# EAGLE board working (EAGLE 9.6.2), part 12 of 28
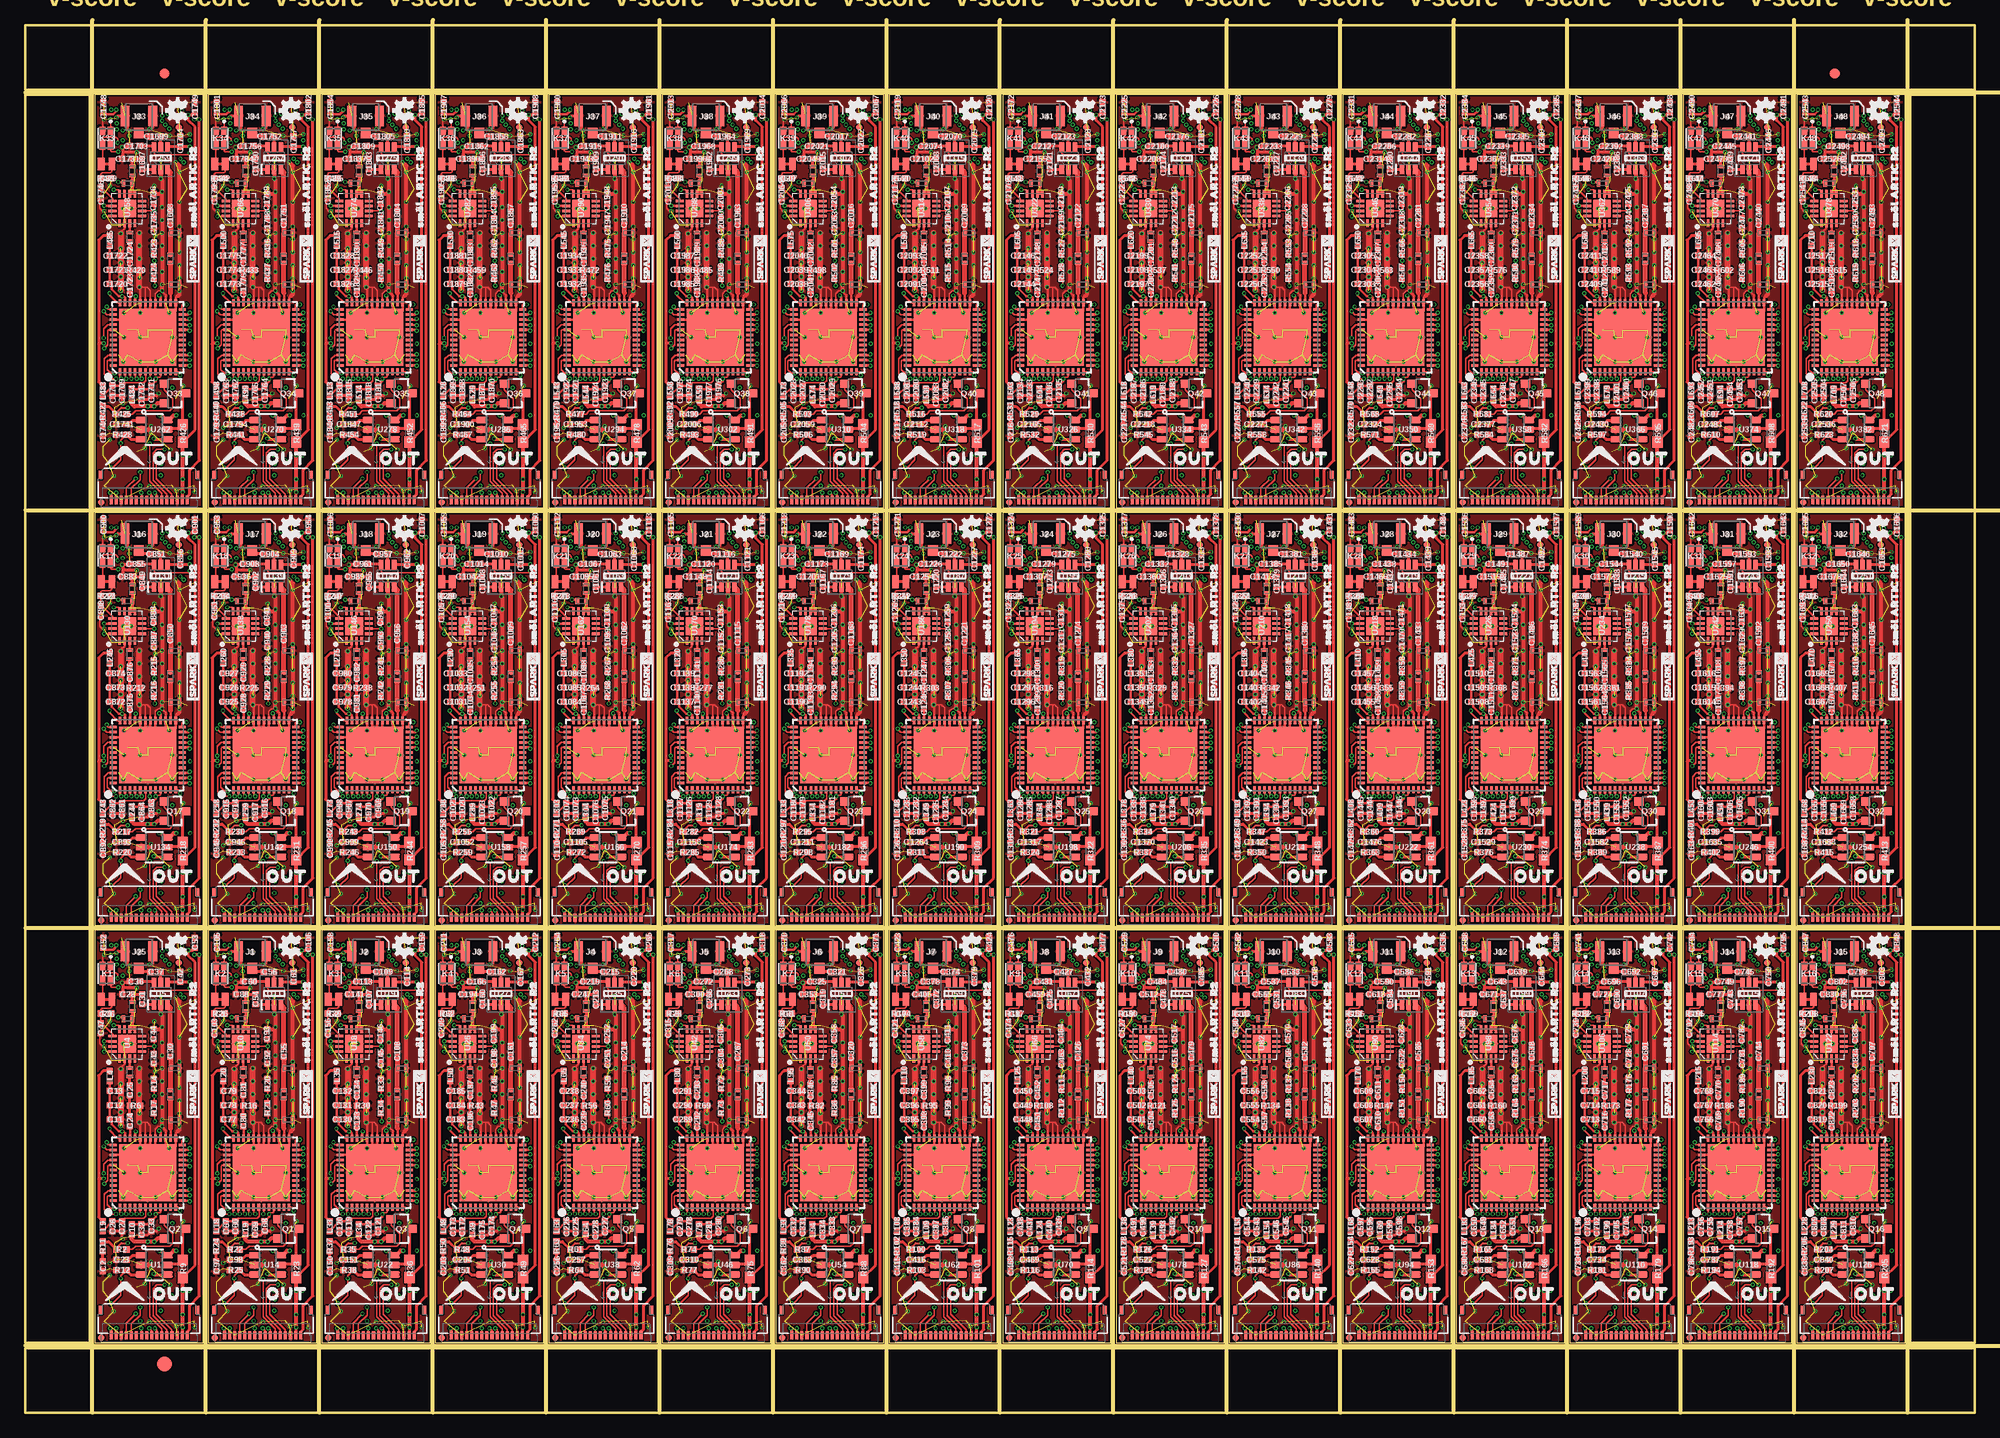
[diagram p0: board, top side]
## Tracks (layer width: path | path; a pad name or v marks a point on that pad's centre or on a via) (continued)
BOOT39  (via drill 0.2) (continued)
  Route15 0.152: v87.16,101.85 87.16,99.48 88.53,98.11 88.53,94.48 89.41,93.6 90.81,93.6 91.57,92.84 v91.57,92.33
  Bottom 0.152: U320.3 91.95,92 91.6,92.36 v91.57,92.33 | R509.1 87.16,100.68 v87.16,101.85
BOOT40  (via drill 0.2)
  Top 0.152: U321.46 97.56,104.17 97.19,103.8 97.19,102.32 97.66,101.85 v98.34,101.85
  Route15 0.152: v98.34,101.85 98.34,99.48 99.71,98.11 99.71,94.48 100.58,93.6 101.98,93.6 102.74,92.84 v102.74,92.33
  Bottom 0.152: U328.3 103.13,92 102.78,92.36 v102.74,92.33 | R522.1 98.34,100.68 v98.34,101.85
BOOT41  (via drill 0.2)
  Top 0.152: U329.46 108.74,104.17 108.37,103.8 108.37,102.32 108.84,101.85 v109.51,101.85
  Route15 0.152: v109.51,101.85 109.51,99.48 110.88,98.11 110.88,94.48 111.76,93.6 113.16,93.6 113.92,92.84 v113.92,92.33
  Bottom 0.152: U336.3 114.31,92 113.95,92.36 v113.92,92.33 | R535.1 109.51,100.68 v109.51,101.85
BOOT42  (via drill 0.2)
  Top 0.152: U337.46 119.92,104.17 119.55,103.8 119.55,102.32 120.02,101.85 v120.69,101.85
  Route15 0.152: v120.69,101.85 120.69,99.48 122.06,98.11 122.06,94.48 122.94,93.6 124.33,93.6 125.09,92.84 v125.09,92.33
  Bottom 0.152: U344.3 125.48,92 125.13,92.36 v125.09,92.33 | R548.1 120.69,100.68 v120.69,101.85
BOOT43  (via drill 0.2)
  Top 0.152: U345.46 131.09,104.17 130.72,103.8 130.72,102.32 131.19,101.85 v131.86,101.85
  Route15 0.152: v131.86,101.85 131.86,99.48 133.23,98.11 133.23,94.48 134.11,93.6 135.51,93.6 136.27,92.84 v136.27,92.33
  Bottom 0.152: U352.3 136.66,92 136.3,92.36 v136.27,92.33 | R561.1 131.86,100.68 v131.86,101.85
BOOT44  (via drill 0.2)
  Top 0.152: U353.46 142.27,104.17 141.9,103.8 141.9,102.32 142.37,101.85 v143.04,101.85
  Route15 0.152: v143.04,101.85 143.04,99.48 144.41,98.11 144.41,94.48 145.29,93.6 146.69,93.6 147.45,92.84 v147.45,92.33
  Bottom 0.152: U360.3 147.84,92 147.48,92.36 v147.45,92.33 | R574.1 143.04,100.68 v143.04,101.85
BOOT45  (via drill 0.2)
  Top 0.152: U361.46 153.44,104.17 153.07,103.8 153.07,102.32 153.54,101.85 v154.22,101.85
  Route15 0.152: v154.22,101.85 154.22,99.48 155.59,98.11 155.59,94.48 156.46,93.6 157.86,93.6 158.62,92.84 v158.62,92.33
  Bottom 0.152: U368.3 159.01,92 158.66,92.36 v158.62,92.33 | R587.1 154.22,100.68 v154.22,101.85
BOOT46  (via drill 0.2)
  Top 0.152: U369.46 164.62,104.17 164.25,103.8 164.25,102.32 164.72,101.85 v165.39,101.85
  Route15 0.152: v165.39,101.85 165.39,99.48 166.76,98.11 166.76,94.48 167.64,93.6 169.04,93.6 169.8,92.84 v169.8,92.33
  Bottom 0.152: U376.3 170.19,92 169.83,92.36 v169.8,92.33 | R600.1 165.39,100.68 v165.39,101.85
BOOT47  (via drill 0.2)
  Top 0.152: U377.46 175.8,104.17 175.43,103.8 175.43,102.32 175.9,101.85 v176.57,101.85
  Route15 0.152: v176.57,101.85 176.57,99.48 177.94,98.11 177.94,94.48 178.82,93.6 180.21,93.6 180.97,92.84 v180.97,92.33
  Bottom 0.152: U384.3 181.36,92 181.01,92.36 v180.97,92.33 | R613.1 176.57,100.68 v176.57,101.85
CIPO  (via drill 0.2)
  Top 0.152: U3.5 11.34,20.2 11.34,19.69 v11.47,19.56 | OUT.6 13.44,8.26 12.25,9.45 v12.25,13.14
  Route15 0.152: v12.25,13.14 12.24,13.16 11.67,13.16 11.49,13.34 11.49,19.53 v11.47,19.56 11.47,19.6 12.05,20.18 12.05,41.49 12.89,42.32 12.89,45.14 13.21,45.47 v13.47,45.47
  Bottom 0.152: IN.6 13.47,46.73 v13.47,45.47
CIPO1  (via drill 0.2)
  Top 0.152: U9.5 22.52,20.2 22.52,19.69 v22.64,19.56 | OUT1.6 24.62,8.26 23.43,9.45 v23.43,13.14
  Route15 0.152: v23.43,13.14 v23.42,13.16 22.85,13.16 22.67,13.34 22.67,19.53 v22.64,19.56 22.64,19.6 23.23,20.18 23.23,41.49 24.07,42.32 24.07,45.14 24.39,45.47 v24.64,45.47
  Bottom 0.152: IN1.6 24.64,46.73 v24.64,45.47
CIPO2  (via drill 0.2)
  Top 0.152: U17.5 33.69,20.2 33.69,19.69 v33.82,19.56 | OUT2.6 35.79,8.26 34.61,9.45 v34.61,13.14
  Route15 0.152: v34.61,13.14 34.6,13.16 34.02,13.16 33.84,13.34 33.84,19.53 v33.82,19.56 33.82,19.6 34.41,20.18 34.41,41.49 35.24,42.32 35.24,45.14 35.56,45.47 v35.82,45.47
  Bottom 0.152: IN2.6 35.82,46.73 v35.82,45.47
CIPO3  (via drill 0.2)
  Top 0.152: U25.5 44.87,20.2 44.87,19.69 v45,19.56 | OUT3.6 46.97,8.26 45.78,9.45 v45.78,13.14
  Route15 0.152: v45.78,13.14 45.77,13.16 45.2,13.16 45.02,13.34 45.02,19.53 v45,19.56 45,19.6 45.58,20.18 45.58,41.49 46.42,42.32 46.42,45.14 46.74,45.47 v47,45.47
  Bottom 0.152: IN3.6 47,46.73 v47,45.47
CIPO4  (via drill 0.2)
  Top 0.152: U33.5 56.04,20.2 56.04,19.69 v56.17,19.56 | OUT4.6 58.15,8.26 56.96,9.45 v56.96,13.14
  Route15 0.152: v56.96,13.14 v56.95,13.16 56.38,13.16 56.2,13.34 56.2,19.53 v56.17,19.56 56.17,19.6 56.76,20.18 56.76,41.49 57.59,42.32 57.59,45.14 57.91,45.47 v58.17,45.47
  Bottom 0.152: IN4.6 58.17,46.73 v58.17,45.47
CIPO5  (via drill 0.2)
  Top 0.152: U41.5 67.22,20.2 67.22,19.69 v67.35,19.56 | OUT5.6 69.32,8.26 68.14,9.45 v68.14,13.14
  Route15 0.152: v68.14,13.14 68.12,13.16 67.55,13.16 67.37,13.34 67.37,19.53 v67.35,19.56 67.35,19.6 67.93,20.18 67.93,41.49 68.77,42.32 68.77,45.14 69.09,45.47 v69.35,45.47
  Bottom 0.152: IN5.6 69.35,46.73 v69.35,45.47
CIPO6  (via drill 0.2)
  Top 0.152: U49.5 78.4,20.2 78.4,19.69 v78.52,19.56 | OUT6.6 80.5,8.26 79.31,9.45 v79.31,13.14
  Route15 0.152: v79.31,13.14 v79.3,13.16 78.73,13.16 78.55,13.34 78.55,19.53 v78.52,19.56 78.52,19.6 79.11,20.18 79.11,41.49 79.95,42.32 79.95,45.14 80.27,45.47 v80.52,45.47
  Bottom 0.152: IN6.6 80.52,46.73 v80.52,45.47
CIPO7  (via drill 0.2)
  Top 0.152: U57.5 89.57,20.2 89.57,19.69 v89.7,19.56 | OUT7.6 91.67,8.26 90.49,9.45 v90.49,13.14
  Route15 0.152: v90.49,13.14 90.48,13.16 89.91,13.16 89.72,13.34 89.72,19.53 v89.7,19.56 89.7,19.6 90.29,20.18 90.29,41.49 91.12,42.32 91.12,45.14 91.44,45.47 v91.7,45.47
  Bottom 0.152: IN7.6 91.7,46.73 v91.7,45.47
CIPO8  (via drill 0.2)
  Top 0.152: U65.5 100.75,20.2 100.75,19.69 v100.88,19.56 | OUT8.6 102.85,8.26 101.66,9.45 v101.66,13.14
  Route15 0.152: v101.66,13.14 101.65,13.16 101.08,13.16 100.9,13.34 100.9,19.53 v100.88,19.56 100.88,19.6 101.46,20.18 101.46,41.49 102.3,42.32 102.3,45.14 102.62,45.47 v102.88,45.47
  Bottom 0.152: IN8.6 102.88,46.73 v102.88,45.47
CIPO9  (via drill 0.2)
  Top 0.152: U73.5 111.92,20.2 111.92,19.69 v112.05,19.56 | OUT9.6 114.03,8.26 112.84,9.45 v112.84,13.14
  Route15 0.152: v112.84,13.14 v112.83,13.16 112.26,13.16 112.08,13.34 112.08,19.53 v112.05,19.56 112.05,19.6 112.64,20.18 112.64,41.49 113.47,42.32 113.47,45.14 113.8,45.47 v114.05,45.47
  Bottom 0.152: IN9.6 114.05,46.73 v114.05,45.47
CIPO10  (via drill 0.2)
  Top 0.152: U81.5 123.1,20.2 123.1,19.69 v123.23,19.56 | OUT10.6 125.2,8.26 124.02,9.45 v124.02,13.14
  Route15 0.152: v124.02,13.14 124,13.16 123.43,13.16 123.25,13.34 123.25,19.53 v123.23,19.56 123.23,19.6 123.81,20.18 123.81,41.49 124.65,42.32 124.65,45.14 124.97,45.47 v125.23,45.47
  Bottom 0.152: IN10.6 125.23,46.73 v125.23,45.47
CIPO11  (via drill 0.2)
  Top 0.152: U89.5 134.28,20.2 134.28,19.69 v134.4,19.56 | OUT11.6 136.38,8.26 135.19,9.45 v135.19,13.14
  Route15 0.152: v135.19,13.14 v135.18,13.16 134.61,13.16 134.43,13.34 134.43,19.53 v134.4,19.56 134.4,19.6 134.99,20.18 134.99,41.49 135.83,42.32 135.83,45.14 136.15,45.47 v136.4,45.47
  Bottom 0.152: IN11.6 136.4,46.73 v136.4,45.47
CIPO12  (via drill 0.2)
  Top 0.152: U97.5 145.45,20.2 145.45,19.69 v145.58,19.56 | OUT12.6 147.55,8.26 146.37,9.45 v146.37,13.14
  Route15 0.152: v146.37,13.14 146.36,13.16 145.78,13.16 145.6,13.34 145.6,19.53 v145.58,19.56 145.58,19.6 146.17,20.18 146.17,41.49 147,42.32 147,45.14 147.32,45.47 v147.58,45.47
  Bottom 0.152: IN12.6 147.58,46.73 v147.58,45.47
CIPO13  (via drill 0.2)
  Top 0.152: U105.5 156.63,20.2 156.63,19.69 v156.76,19.56 | OUT13.6 158.73,8.26 157.54,9.45 v157.54,13.14
  Route15 0.152: v157.54,13.14 157.53,13.16 156.96,13.16 156.78,13.34 156.78,19.53 v156.76,19.56 156.76,19.6 157.34,20.18 157.34,41.49 158.18,42.32 158.18,45.14 158.5,45.47 v158.76,45.47
  Bottom 0.152: IN13.6 158.76,46.73 v158.76,45.47
CIPO14  (via drill 0.2)
  Top 0.152: U113.5 167.8,20.2 167.8,19.69 v167.93,19.56 | OUT14.6 169.91,8.26 168.72,9.45 v168.72,13.14
  Route15 0.152: v168.72,13.14 v168.71,13.16 168.14,13.16 167.96,13.34 167.96,19.53 v167.93,19.56 167.93,19.6 168.52,20.18 168.52,41.49 169.35,42.32 169.35,45.14 169.68,45.47 v169.93,45.47
  Bottom 0.152: IN14.6 169.93,46.73 v169.93,45.47
CIPO15  (via drill 0.2)
  Top 0.152: U121.5 178.98,20.2 178.98,19.69 v179.11,19.56 | OUT15.6 181.08,8.26 179.9,9.45 v179.9,13.14
  Route15 0.152: v179.9,13.14 179.88,13.16 179.31,13.16 179.13,13.34 179.13,19.53 v179.11,19.56 179.11,19.6 179.69,20.18 179.69,41.49 180.53,42.32 180.53,45.14 180.85,45.47 v181.11,45.47
  Bottom 0.152: IN15.6 181.11,46.73 v181.11,45.47
CIPO16  (via drill 0.2)
  Top 0.152: U129.5 11.34,61.34 11.34,60.83 v11.47,60.71 | OUT16.6 13.44,49.41 12.25,50.59 v12.25,54.29
  Route15 0.152: v12.25,54.29 12.24,54.3 11.67,54.3 11.49,54.48 11.49,60.68 v11.47,60.71 11.47,60.74 12.05,61.33 12.05,82.64 12.89,83.47 12.89,86.29 13.21,86.61 v13.47,86.61
  Bottom 0.152: IN16.6 13.47,87.87 v13.47,86.61
CIPO17  (via drill 0.2)
  Top 0.152: U137.5 22.52,61.34 22.52,60.83 v22.64,60.71 | OUT17.6 24.62,49.41 23.43,50.59 v23.43,54.29
  Route15 0.152: v23.43,54.29 23.42,54.3 22.85,54.3 22.67,54.48 22.67,60.68 v22.64,60.71 22.64,60.74 23.23,61.33 23.23,82.64 24.07,83.47 24.07,86.29 24.39,86.61 v24.64,86.61
  Bottom 0.152: IN17.6 24.64,87.87 v24.64,86.61
CIPO18  (via drill 0.2)
  Top 0.152: U145.5 33.69,61.34 33.69,60.83 v33.82,60.71 | OUT18.6 35.79,49.41 34.61,50.59 v34.61,54.29
  Route15 0.152: v34.61,54.29 34.6,54.3 34.02,54.3 33.84,54.48 33.84,60.68 v33.82,60.71 33.82,60.74 34.41,61.33 34.41,82.64 35.24,83.47 35.24,86.29 35.56,86.61 v35.82,86.61
  Bottom 0.152: IN18.6 35.82,87.87 v35.82,86.61
CIPO19  (via drill 0.2)
  Top 0.152: U153.5 44.87,61.34 44.87,60.83 v45,60.71 | OUT19.6 46.97,49.41 45.78,50.59 v45.78,54.29
  Route15 0.152: v45.78,54.29 45.77,54.3 45.2,54.3 45.02,54.48 45.02,60.68 v45,60.71 45,60.74 45.58,61.33 45.58,82.64 46.42,83.47 46.42,86.29 46.74,86.61 v47,86.61
  Bottom 0.152: IN19.6 47,87.87 v47,86.61
CIPO20  (via drill 0.2)
  Top 0.152: U161.5 56.04,61.34 56.04,60.83 v56.17,60.71 | OUT20.6 58.15,49.41 56.96,50.59 v56.96,54.29
  Route15 0.152: v56.96,54.29 56.95,54.3 56.38,54.3 56.2,54.48 56.2,60.68 v56.17,60.71 56.17,60.74 56.76,61.33 56.76,82.64 57.59,83.47 57.59,86.29 57.91,86.61 v58.17,86.61
  Bottom 0.152: IN20.6 58.17,87.87 v58.17,86.61
CIPO21  (via drill 0.2)
  Top 0.152: U169.5 67.22,61.34 67.22,60.83 v67.35,60.71 | OUT21.6 69.32,49.41 68.14,50.59 v68.14,54.29
  Route15 0.152: v68.14,54.29 68.12,54.3 67.55,54.3 67.37,54.48 67.37,60.68 v67.35,60.71 67.35,60.74 67.93,61.33 67.93,82.64 68.77,83.47 68.77,86.29 69.09,86.61 v69.35,86.61
  Bottom 0.152: IN21.6 69.35,87.87 v69.35,86.61
CIPO22  (via drill 0.2)
  Top 0.152: U177.5 78.4,61.34 78.4,60.83 v78.52,60.71 | OUT22.6 80.5,49.41 79.31,50.59 v79.31,54.29
  Route15 0.152: v79.31,54.29 79.3,54.3 78.73,54.3 78.55,54.48 78.55,60.68 v78.52,60.71 78.52,60.74 79.11,61.33 79.11,82.64 79.95,83.47 79.95,86.29 80.27,86.61 v80.52,86.61
  Bottom 0.152: IN22.6 80.52,87.87 v80.52,86.61
CIPO23  (via drill 0.2)
  Top 0.152: U185.5 89.57,61.34 89.57,60.83 v89.7,60.71 | OUT23.6 91.67,49.41 90.49,50.59 v90.49,54.29
  Route15 0.152: v90.49,54.29 90.48,54.3 89.91,54.3 89.72,54.48 89.72,60.68 v89.7,60.71 89.7,60.74 90.29,61.33 90.29,82.64 91.12,83.47 91.12,86.29 91.44,86.61 v91.7,86.61
  Bottom 0.152: IN23.6 91.7,87.87 v91.7,86.61
CIPO24  (via drill 0.2)
  Top 0.152: U193.5 100.75,61.34 100.75,60.83 v100.88,60.71 | OUT24.6 102.85,49.41 101.66,50.59 v101.66,54.29
  Route15 0.152: v101.66,54.29 101.65,54.3 101.08,54.3 100.9,54.48 100.9,60.68 v100.88,60.71 100.88,60.74 101.46,61.33 101.46,82.64 102.3,83.47 102.3,86.29 102.62,86.61 v102.88,86.61
  Bottom 0.152: IN24.6 102.88,87.87 v102.88,86.61
CIPO25  (via drill 0.2)
  Top 0.152: U201.5 111.92,61.34 111.92,60.83 v112.05,60.71 | OUT25.6 114.03,49.41 112.84,50.59 v112.84,54.29
  Route15 0.152: v112.84,54.29 112.83,54.3 112.26,54.3 112.08,54.48 112.08,60.68 v112.05,60.71 112.05,60.74 112.64,61.33 112.64,82.64 113.47,83.47 113.47,86.29 113.8,86.61 v114.05,86.61
  Bottom 0.152: IN25.6 114.05,87.87 v114.05,86.61
CIPO26  (via drill 0.2)
  Top 0.152: U209.5 123.1,61.34 123.1,60.83 v123.23,60.71 | OUT26.6 125.2,49.41 124.02,50.59 v124.02,54.29
  Route15 0.152: v124.02,54.29 124,54.3 123.43,54.3 123.25,54.48 123.25,60.68 v123.23,60.71 123.23,60.74 123.81,61.33 123.81,82.64 124.65,83.47 124.65,86.29 124.97,86.61 v125.23,86.61
  Bottom 0.152: IN26.6 125.23,87.87 v125.23,86.61
CIPO27  (via drill 0.2)
  Top 0.152: U217.5 134.28,61.34 134.28,60.83 v134.4,60.71 | OUT27.6 136.38,49.41 135.19,50.59 v135.19,54.29
  Route15 0.152: v135.19,54.29 135.18,54.3 134.61,54.3 134.43,54.48 134.43,60.68 v134.4,60.71 134.4,60.74 134.99,61.33 134.99,82.64 135.83,83.47 135.83,86.29 136.15,86.61 v136.4,86.61
  Bottom 0.152: IN27.6 136.4,87.87 v136.4,86.61
CIPO28  (via drill 0.2)
  Top 0.152: U225.5 145.45,61.34 145.45,60.83 v145.58,60.71 | OUT28.6 147.55,49.41 146.37,50.59 v146.37,54.29
  Route15 0.152: v146.37,54.29 146.36,54.3 145.78,54.3 145.6,54.48 145.6,60.68 v145.58,60.71 145.58,60.74 146.17,61.33 146.17,82.64 147,83.47 147,86.29 147.32,86.61 v147.58,86.61
  Bottom 0.152: IN28.6 147.58,87.87 v147.58,86.61
CIPO29  (via drill 0.2)
  Top 0.152: U233.5 156.63,61.34 156.63,60.83 v156.76,60.71 | OUT29.6 158.73,49.41 157.54,50.59 v157.54,54.29
  Route15 0.152: v157.54,54.29 157.53,54.3 156.96,54.3 156.78,54.48 156.78,60.68 v156.76,60.71 156.76,60.74 157.34,61.33 157.34,82.64 158.18,83.47 158.18,86.29 158.5,86.61 v158.76,86.61
  Bottom 0.152: IN29.6 158.76,87.87 v158.76,86.61
CIPO30  (via drill 0.2)
  Top 0.152: U241.5 167.8,61.34 167.8,60.83 v167.93,60.71 | OUT30.6 169.91,49.41 168.72,50.59 v168.72,54.29
  Route15 0.152: v168.72,54.29 168.71,54.3 168.14,54.3 167.96,54.48 167.96,60.68 v167.93,60.71 167.93,60.74 168.52,61.33 168.52,82.64 169.35,83.47 169.35,86.29 169.68,86.61 v169.93,86.61
  Bottom 0.152: IN30.6 169.93,87.87 v169.93,86.61
CIPO31  (via drill 0.2)
  Top 0.152: U249.5 178.98,61.34 178.98,60.83 v179.11,60.71 | OUT31.6 181.08,49.41 179.9,50.59 v179.9,54.29
  Route15 0.152: v179.9,54.29 179.88,54.3 179.31,54.3 179.13,54.48 179.13,60.68 v179.11,60.71 179.11,60.74 179.69,61.33 179.69,82.64 180.53,83.47 180.53,86.29 180.85,86.61 v181.11,86.61
  Bottom 0.152: IN31.6 181.11,87.87 v181.11,86.61
CIPO32  (via drill 0.2)
  Top 0.152: U257.5 11.34,102.49 11.34,101.98 v11.47,101.85 | OUT32.6 13.44,90.55 12.25,91.74 v12.25,95.44
  Route15 0.152: v12.25,95.44 12.24,95.45 11.67,95.45 11.49,95.63 11.49,101.83 v11.47,101.85 11.47,101.89 12.05,102.48 12.05,123.79 12.89,124.62 12.89,127.44 13.21,127.76 v13.47,127.76
  Bottom 0.152: IN32.6 13.47,129.02 v13.47,127.76
CIPO33  (via drill 0.2)
  Top 0.152: U265.5 22.52,102.49 22.52,101.98 v22.64,101.85 | OUT33.6 24.62,90.55 23.43,91.74 v23.43,95.44
  Route15 0.152: v23.43,95.44 23.42,95.45 22.85,95.45 22.67,95.63 22.67,101.83 v22.64,101.85 22.64,101.89 23.23,102.48 23.23,123.79 24.07,124.62 24.07,127.44 24.39,127.76 v24.64,127.76
  Bottom 0.152: IN33.6 24.64,129.02 v24.64,127.76
CIPO34  (via drill 0.2)
  Top 0.152: U273.5 33.69,102.49 33.69,101.98 v33.82,101.85 | OUT34.6 35.79,90.55 34.61,91.74 v34.61,95.44
  Route15 0.152: v34.61,95.44 34.6,95.45 34.02,95.45 33.84,95.63 33.84,101.83 v33.82,101.85 33.82,101.89 34.41,102.48 34.41,123.79 35.24,124.62 35.24,127.44 35.56,127.76 v35.82,127.76
  Bottom 0.152: IN34.6 35.82,129.02 v35.82,127.76
CIPO35  (via drill 0.2)
  Top 0.152: U281.5 44.87,102.49 44.87,101.98 v45,101.85 | OUT35.6 46.97,90.55 45.78,91.74 v45.78,95.44
  Route15 0.152: v45.78,95.44 45.77,95.45 45.2,95.45 45.02,95.63 45.02,101.83 v45,101.85 45,101.89 45.58,102.48 45.58,123.79 46.42,124.62 46.42,127.44 46.74,127.76 v47,127.76
  Bottom 0.152: IN35.6 47,129.02 v47,127.76
CIPO36  (via drill 0.2)
  Top 0.152: U289.5 56.04,102.49 56.04,101.98 v56.17,101.85 | OUT36.6 58.15,90.55 56.96,91.74 v56.96,95.44
  Route15 0.152: v56.96,95.44 56.95,95.45 56.38,95.45 56.2,95.63 56.2,101.83 v56.17,101.85 56.17,101.89 56.76,102.48 56.76,123.79 57.59,124.62 57.59,127.44 57.91,127.76 v58.17,127.76
  Bottom 0.152: IN36.6 58.17,129.02 v58.17,127.76
CIPO37  (via drill 0.2)
  Top 0.152: U297.5 67.22,102.49 67.22,101.98 v67.35,101.85 | OUT37.6 69.32,90.55 68.14,91.74 v68.14,95.44
  Route15 0.152: v68.14,95.44 68.12,95.45 67.55,95.45 67.37,95.63 67.37,101.83 v67.35,101.85 67.35,101.89 67.93,102.48 67.93,123.79 68.77,124.62 68.77,127.44 69.09,127.76 v69.35,127.76
  Bottom 0.152: IN37.6 69.35,129.02 v69.35,127.76
CIPO38  (via drill 0.2)
  Top 0.152: U305.5 78.4,102.49 78.4,101.98 v78.52,101.85 | OUT38.6 80.5,90.55 79.31,91.74 v79.31,95.44
  Route15 0.152: v79.31,95.44 79.3,95.45 78.73,95.45 78.55,95.63 78.55,101.83 v78.52,101.85 78.52,101.89 79.11,102.48 79.11,123.79 79.95,124.62 79.95,127.44 80.27,127.76 v80.52,127.76
  Bottom 0.152: IN38.6 80.52,129.02 v80.52,127.76
CIPO39  (via drill 0.2)
  Top 0.152: U313.5 89.57,102.49 89.57,101.98 v89.7,101.85 | OUT39.6 91.67,90.55 90.49,91.74 v90.49,95.44
  Route15 0.152: v90.49,95.44 90.48,95.45 89.91,95.45 89.72,95.63 89.72,101.83 v89.7,101.85 89.7,101.89 90.29,102.48 90.29,123.79 91.12,124.62 91.12,127.44 91.44,127.76 v91.7,127.76
  Bottom 0.152: IN39.6 91.7,129.02 v91.7,127.76
CIPO40  (via drill 0.2)
  Top 0.152: U321.5 100.75,102.49 100.75,101.98 v100.88,101.85 | OUT40.6 102.85,90.55 101.66,91.74 v101.66,95.44
  Route15 0.152: v101.66,95.44 101.65,95.45 101.08,95.45 100.9,95.63 100.9,101.83 v100.88,101.85 100.88,101.89 101.46,102.48 101.46,123.79 102.3,124.62 102.3,127.44 102.62,127.76 v102.88,127.76
  Bottom 0.152: IN40.6 102.88,129.02 v102.88,127.76
CIPO41  (via drill 0.2)
  Top 0.152: U329.5 111.92,102.49 111.92,101.98 v112.05,101.85 | OUT41.6 114.03,90.55 112.84,91.74 v112.84,95.44
  Route15 0.152: v112.84,95.44 112.83,95.45 112.26,95.45 112.08,95.63 112.08,101.83 v112.05,101.85 112.05,101.89 112.64,102.48 112.64,123.79 113.47,124.62 113.47,127.44 113.8,127.76 v114.05,127.76
  Bottom 0.152: IN41.6 114.05,129.02 v114.05,127.76
CIPO42  (via drill 0.2)
  Top 0.152: U337.5 123.1,102.49 123.1,101.98 v123.23,101.85 | OUT42.6 125.2,90.55 124.02,91.74 v124.02,95.44
  Route15 0.152: v124.02,95.44 124,95.45 123.43,95.45 123.25,95.63 123.25,101.83 v123.23,101.85 123.23,101.89 123.81,102.48 123.81,123.79 124.65,124.62 124.65,127.44 124.97,127.76 v125.23,127.76
  Bottom 0.152: IN42.6 125.23,129.02 v125.23,127.76
CIPO43  (via drill 0.2)
  Top 0.152: U345.5 134.28,102.49 134.28,101.98 v134.4,101.85 | OUT43.6 136.38,90.55 135.19,91.74 v135.19,95.44
  Route15 0.152: v135.19,95.44 135.18,95.45 134.61,95.45 134.43,95.63 134.43,101.83 v134.4,101.85 134.4,101.89 134.99,102.48 134.99,123.79 135.83,124.62 135.83,127.44 136.15,127.76 v136.4,127.76
  Bottom 0.152: IN43.6 136.4,129.02 v136.4,127.76
CIPO44  (via drill 0.2)
  Top 0.152: U353.5 145.45,102.49 145.45,101.98 v145.58,101.85 | OUT44.6 147.55,90.55 146.37,91.74 v146.37,95.44
  Route15 0.152: v146.37,95.44 146.36,95.45 145.78,95.45 145.6,95.63 145.6,101.83 v145.58,101.85 145.58,101.89 146.17,102.48 146.17,123.79 147,124.62 147,127.44 147.32,127.76 v147.58,127.76
  Bottom 0.152: IN44.6 147.58,129.02 v147.58,127.76
CIPO45  (via drill 0.2)
  Top 0.152: U361.5 156.63,102.49 156.63,101.98 v156.76,101.85 | OUT45.6 158.73,90.55 157.54,91.74 v157.54,95.44
  Route15 0.152: v157.54,95.44 157.53,95.45 156.96,95.45 156.78,95.63 156.78,101.83 v156.76,101.85 156.76,101.89 157.34,102.48 157.34,123.79 158.18,124.62 158.18,127.44 158.5,127.76 v158.76,127.76
  Bottom 0.152: IN45.6 158.76,129.02 v158.76,127.76
CIPO46  (via drill 0.2)
  Top 0.152: U369.5 167.8,102.49 167.8,101.98 v167.93,101.85 | OUT46.6 169.91,90.55 168.72,91.74 v168.72,95.44
  Route15 0.152: v168.72,95.44 168.71,95.45 168.14,95.45 167.96,95.63 167.96,101.83 v167.93,101.85 167.93,101.89 168.52,102.48 168.52,123.79 169.35,124.62 169.35,127.44 169.68,127.76 v169.93,127.76
  Bottom 0.152: IN46.6 169.93,129.02 v169.93,127.76
CIPO47  (via drill 0.2)
  Top 0.152: U377.5 178.98,102.49 178.98,101.98 v179.11,101.85 | OUT47.6 181.08,90.55 179.9,91.74 v179.9,95.44
  Route15 0.152: v179.9,95.44 179.88,95.45 179.31,95.45 179.13,95.63 179.13,101.83 v179.11,101.85 179.11,101.89 179.69,102.48 179.69,123.79 180.53,124.62 180.53,127.44 180.85,127.76 v181.11,127.76
  Bottom 0.152: IN47.6 181.11,129.02 v181.11,127.76
COPI  (via drill 0.2)
  Top 0.152: U3.4 10.84,20.2 10.84,19.68 v10.96,19.56 | OUT.5 13.94,8.16 12.57,9.52 12.57,12.21 12.95,12.58 v13.71,12.58
  Route15 0.152: v13.71,12.58 12.95,12.58 12.67,12.31 11.5,12.31 11.21,12.6 11.21,18.33 10.96,18.58 v10.96,19.56 10.96,19.61 11.71,20.36 11.71,41.6 12.61,42.5 12.61,45.32 13.2,45.91 13.78,45.91 v14.04,45.66
  Bottom 0.152: IN.5 14.04,46.66 v14.04,45.66
COPI1  (via drill 0.2)
  Top 0.152: U9.4 22.02,20.2 22.02,19.68 v22.14,19.56 | OUT1.5 25.12,8.16 23.75,9.52 23.75,12.21 24.12,12.58 v24.88,12.58
  Route15 0.152: v24.88,12.58 24.12,12.58 23.85,12.31 22.68,12.31 22.39,12.6 22.39,18.33 22.14,18.58 v22.14,19.56 22.14,19.61 22.89,20.36 22.89,41.6 23.79,42.5 23.79,45.32 24.37,45.91 24.96,45.91 v25.21,45.66
  Bottom 0.152: IN1.5 25.21,46.66 v25.21,45.66
COPI2  (via drill 0.2)
  Top 0.152: U17.4 33.19,20.2 33.19,19.68 v33.31,19.56 | OUT2.5 36.29,8.16 34.92,9.52 34.92,12.21 35.3,12.58 v36.06,12.58
  Route15 0.152: v36.06,12.58 35.3,12.58 35.02,12.31 33.86,12.31 33.56,12.6 33.56,18.33 33.31,18.58 v33.31,19.56 33.31,19.61 34.06,20.36 34.06,41.6 34.96,42.5 34.96,45.32 35.55,45.91 36.13,45.91 v36.39,45.66
  Bottom 0.152: IN2.5 36.39,46.66 v36.39,45.66
COPI3  (via drill 0.2)
  Top 0.152: U25.4 44.37,20.2 44.37,19.68 v44.49,19.56 | OUT3.5 47.47,8.16 46.1,9.52 46.1,12.21 46.47,12.58 v47.24,12.58
  Route15 0.152: v47.24,12.58 46.47,12.58 46.2,12.31 45.03,12.31 44.74,12.6 44.74,18.33 44.49,18.58 v44.49,19.56 44.49,19.61 45.24,20.36 45.24,41.6 46.14,42.5 46.14,45.32 46.72,45.91 47.31,45.91 v47.56,45.66
  Bottom 0.152: IN3.5 47.56,46.66 v47.56,45.66
COPI4  (via drill 0.2)
  Top 0.152: U33.4 55.54,20.2 55.54,19.68 v55.66,19.56 | OUT4.5 58.65,8.16 57.28,9.52 57.28,12.21 57.65,12.58 v58.41,12.58
  Route15 0.152: v58.41,12.58 57.65,12.58 57.38,12.31 56.21,12.31 55.92,12.6 55.92,18.33 55.66,18.58 v55.66,19.56 55.66,19.61 56.41,20.36 56.41,41.6 57.31,42.5 57.31,45.32 57.9,45.91 58.49,45.91 v58.74,45.66
  Bottom 0.152: IN4.5 58.74,46.66 v58.74,45.66
COPI5  (via drill 0.2)
  Top 0.152: U41.4 66.72,20.2 66.72,19.68 v66.84,19.56 | OUT5.5 69.82,8.16 68.45,9.52 68.45,12.21 68.83,12.58 v69.59,12.58
  Route15 0.152: v69.59,12.58 68.83,12.58 68.55,12.31 67.39,12.31 67.09,12.6 67.09,18.33 66.84,18.58 v66.84,19.56 66.84,19.61 67.59,20.36 67.59,41.6 68.49,42.5 68.49,45.32 69.08,45.91 69.66,45.91 v69.92,45.66
  Bottom 0.152: IN5.5 69.92,46.66 v69.92,45.66
COPI6  (via drill 0.2)
  Top 0.152: U49.4 77.9,20.2 77.9,19.68 v78.02,19.56 | OUT6.5 81,8.16 79.63,9.52 79.63,12.21 80,12.58 v80.76,12.58
  Route15 0.152: v80.76,12.58 80,12.58 79.73,12.31 78.56,12.31 78.27,12.6 78.27,18.33 78.02,18.58 v78.02,19.56 78.02,19.61 78.77,20.36 78.77,41.6 79.67,42.5 79.67,45.32 80.25,45.91 80.84,45.91 v81.09,45.66
  Bottom 0.152: IN6.5 81.09,46.66 v81.09,45.66
COPI7  (via drill 0.2)
  Top 0.152: U57.4 89.07,20.2 89.07,19.68 v89.19,19.56 | OUT7.5 92.17,8.16 90.81,9.52 90.81,12.21 91.18,12.58 v91.94,12.58
  Route15 0.152: v91.94,12.58 91.18,12.58 90.9,12.31 89.74,12.31 89.45,12.6 89.45,18.33 89.19,18.58 v89.19,19.56 89.19,19.61 89.94,20.36 89.94,41.6 90.84,42.5 90.84,45.32 91.43,45.91 92.02,45.91 v92.27,45.66
  Bottom 0.152: IN7.5 92.27,46.66 v92.27,45.66
COPI8  (via drill 0.2)
  Top 0.152: U65.4 100.25,20.2 100.25,19.68 v100.37,19.56 | OUT8.5 103.35,8.16 101.98,9.52 101.98,12.21 102.35,12.58 v103.12,12.58
  Route15 0.152: v103.12,12.58 102.35,12.58 102.08,12.31 100.91,12.31 100.62,12.6 100.62,18.33 100.37,18.58 v100.37,19.56 100.37,19.61 101.12,20.36 101.12,41.6 102.02,42.5 102.02,45.32 102.61,45.91 103.19,45.91 v103.45,45.66
  Bottom 0.152: IN8.5 103.45,46.66 v103.45,45.66
COPI9  (via drill 0.2)
  Top 0.152: U73.4 111.42,20.2 111.42,19.68 v111.54,19.56 | OUT9.5 114.53,8.16 113.16,9.52 113.16,12.21 113.53,12.58 v114.29,12.58
  Route15 0.152: v114.29,12.58 113.53,12.58 113.26,12.31 112.09,12.31 111.8,12.6 111.8,18.33 111.54,18.58 v111.54,19.56 111.54,19.61 112.3,20.36 112.3,41.6 113.19,42.5 113.19,45.32 113.78,45.91 114.37,45.91 v114.62,45.66
  Bottom 0.152: IN9.5 114.62,46.66 v114.62,45.66
COPI10  (via drill 0.2)
  Top 0.152: U81.4 122.6,20.2 122.6,19.68 v122.72,19.56 | OUT10.5 125.7,8.16 124.33,9.52 124.33,12.21 124.71,12.58 v125.47,12.58
  Route15 0.152: v125.47,12.58 124.71,12.58 124.43,12.31 123.27,12.31 122.97,12.6 122.97,18.33 122.72,18.58 v122.72,19.56 122.72,19.61 123.47,20.36 123.47,41.6 124.37,42.5 124.37,45.32 124.96,45.91 125.54,45.91 v125.8,45.66
  Bottom 0.152: IN10.5 125.8,46.66 v125.8,45.66
COPI11  (via drill 0.2)
  Top 0.152: U89.4 133.78,20.2 133.78,19.68 v133.9,19.56 | OUT11.5 136.88,8.16 135.51,9.52 135.51,12.21 135.88,12.58 v136.64,12.58